# Altium PCB UDEMY__MFY.PcbDoc (part 1 of 2) (continued)
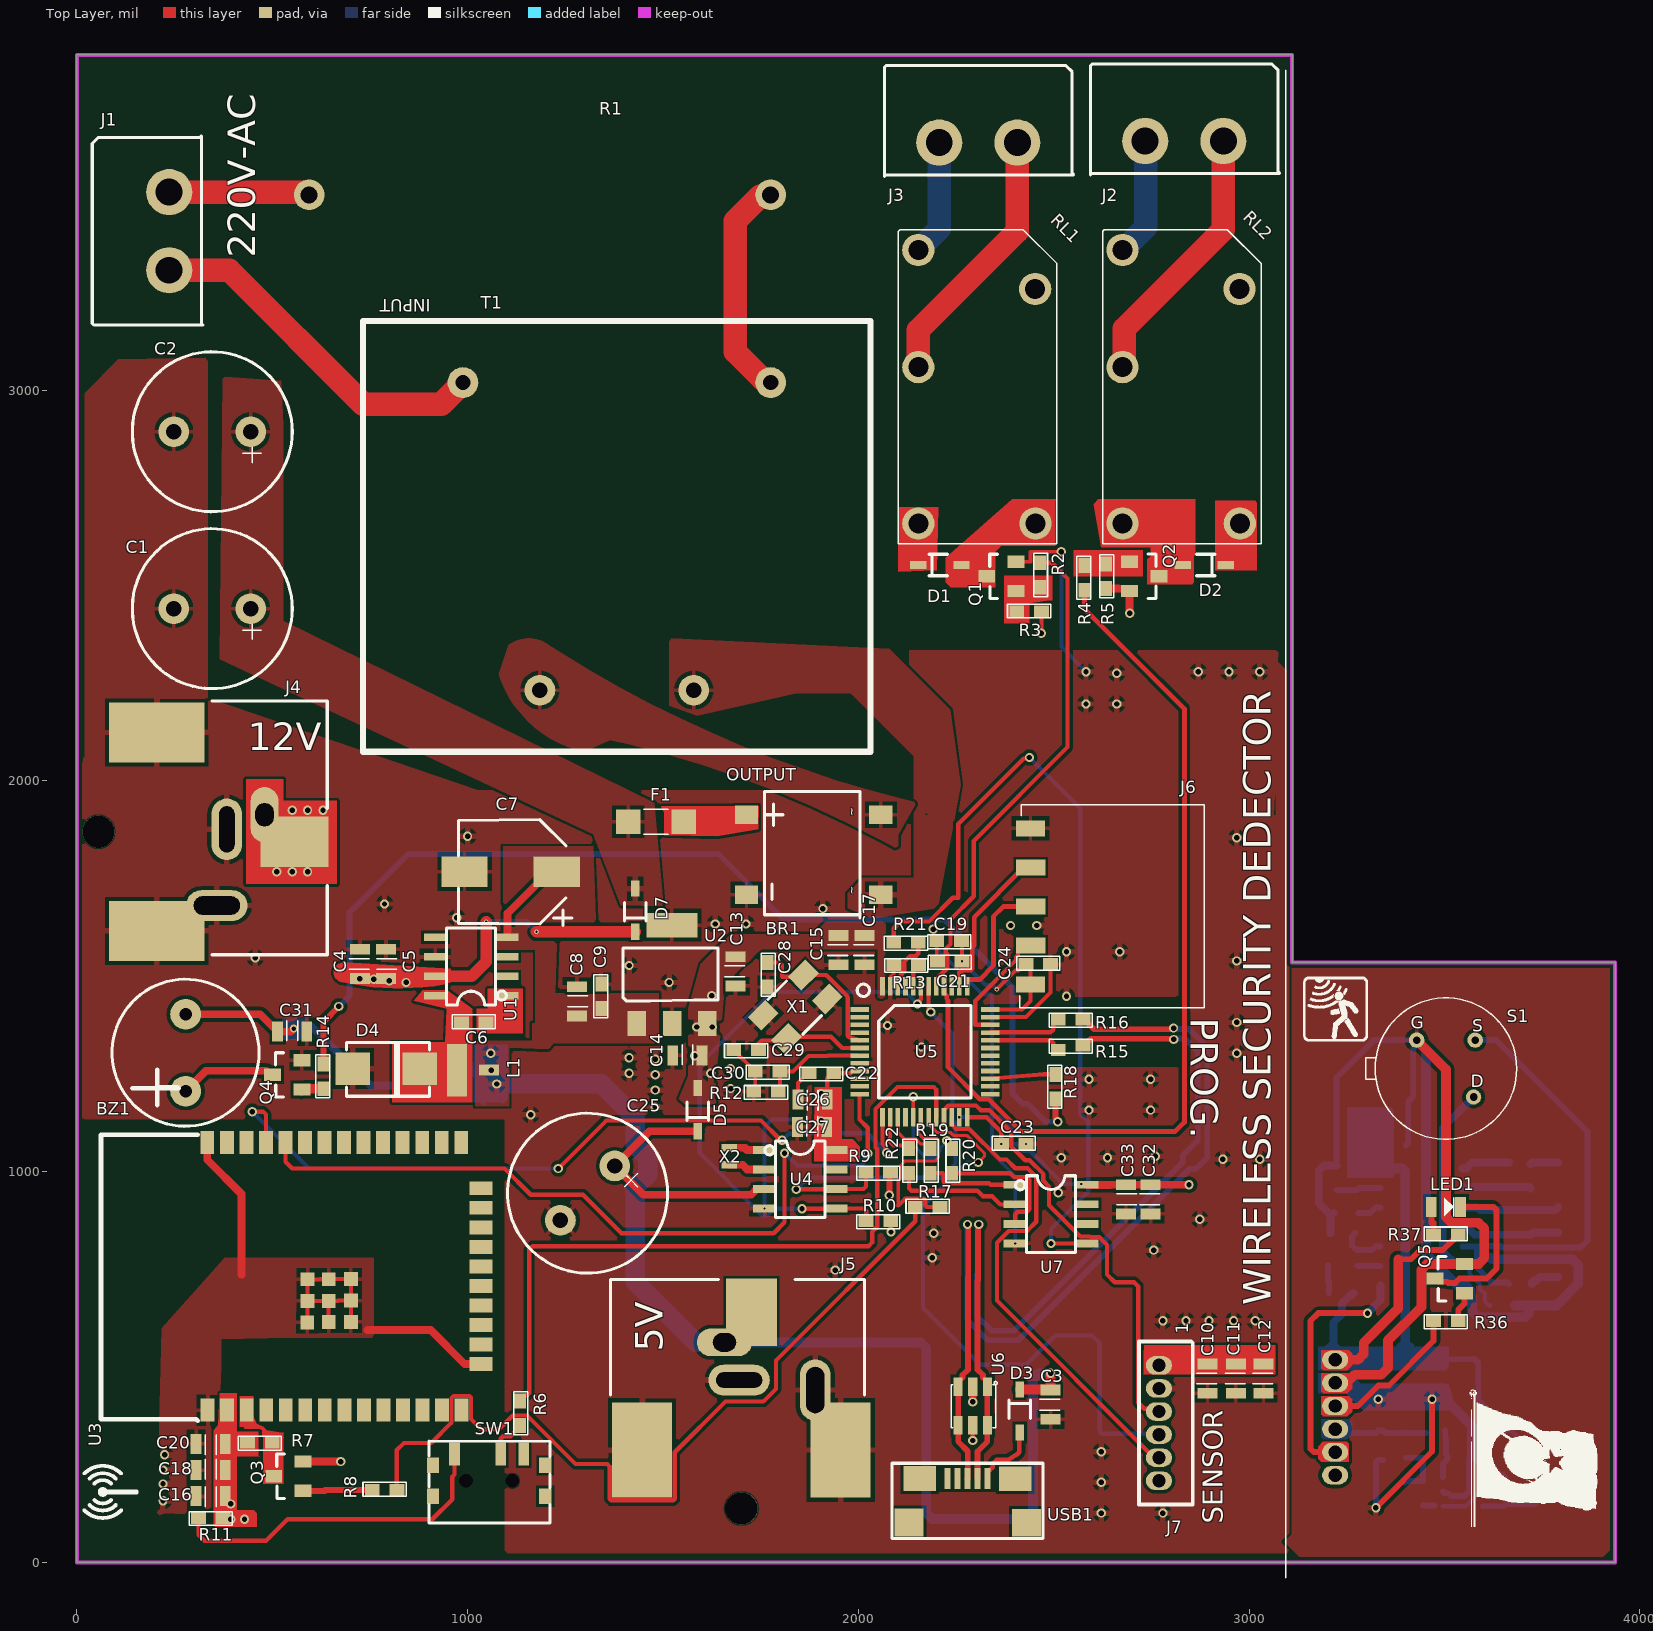
[diagram p0: Top Layer view]
## Part data (continued)
R32 R33 R35: library part "RES 220K OHM 0603", "0.1W, 220000ohm, 75V, 5% +/-Tol, 100ppm/Cel, Surface Mount, 0603", Case/Package=0603, Manufacturer=Yageo, Max Operating Temperature=155°C, Min Operating Temperature=-55°C, Package Height=0.45mm, Package Length=1.6mm, Package Shape=Rectangular, Package Width=0.8mm, Power=100mW, Rated Temperature=70°C, Resistor Type="FIXED RESISTOR", Supplier Part Number=603-RC0603JR-07220KL, Temperature Coefficient (ppm/Cel)=100, Tolerance=5%, Working Voltage=75V, Additional Feature="LASER TRIMMABLE", Category="Chip SMD Resistors", ComponentLink1Description=https://datasheet.ciiva.com:443/pdfs/VipMasterIC/IC/YAGO/YAGO-S-A0008145938/YAGO-S-A0008145938-1.pdf?src-supplier=IHS+Markit, ComponentLink1URL=https://datasheet.ciiva.com:443/pdfs/VipMasterIC/IC/YAGO/YAGO-S-A0008145938/YAGO-S-A0008145938-1.pdf?src-supplier=IHS+Markit, ComponentLink2Description=https://datasheet.ciiva.com/2452/pyu-r-int-thick-7-2452923.pdf?src-supplier=Digikey, ComponentLink2URL=https://datasheet.ciiva.com/2452/pyu-r-int-thick-7-2452923.pdf?src-supplier=Digikey, ComponentLink3Description=https://datasheet.ciiva.com/2452/pyu-r-int-thick-7-2452924.pdf?src-supplier=Digikey, ComponentLink3URL=https://datasheet.ciiva.com/2452/pyu-r-int-thick-7-2452924.pdf?src-supplier=Digikey, ComponentLink4Description=https://datasheet.ciiva.com/2452/pyu-r-int-thick-7-2452925.pdf?src-supplier=Digikey, ComponentLink4URL=https://datasheet.ciiva.com/2452/pyu-r-int-thick-7-2452925.pdf?src-supplier=Digikey, Construction=Chip, JESD-609 Code=e3, Manufacturer Part Number=RC0603JR-07220KL, Mounting Technology="Surface Mount", Packaging="Tape and Reel", Pins=2, Pricing="1=0,1, 10=0,008, 50=0,008, 100=0,006, 1000=0,005, 10000=0,002 (USD)", Reach SVHC Compliant=Yes, RoHS=Yes, RoHS Compliant=Yes, Stock=72147, Supplier=Mouser, Technology="METAL GLAZE/THICK FILM", Terminal Finish=Nickel, Termination=Wraparound
RL1 RL2: "General Purpose Relay SPDT (1 Form C) 12VDC Coil Through Hole", Coil Current(DC)-Max=33mA, Coil Operate Voltage(DC)=9V, Coil Power=400mW, Coil Release Voltage(DC)=600mV, Coil Resistance=360R, Coil Voltage(DC)-Max=12V, Contact AC Max Power Rating R Load=1250VA@250VAC, Contact AC Max Rating R Load=10A@125VAC, Contact Current(AC)-Max=10A, Contact Current(DC)-Max=5A, Contact DC Max Power Rating R Load=150W@30VDC, Contact DC Max Rating R Load=5A@30VDC, Contact Resistance=100mR, Contact Voltage(AC)-Max=125V, Contact Voltage(DC)-Max=30V, Dielectric Strength Between Coil and Contacts=4000Vrms, Dielectric Strength Between Open Contacts=750Vrms, Manufacturer=Panasonic, Max Operating Temperature=85°C, Min Operating Temperature=-40°C, Supplier Part Number=5061407, Insulation Resistance=1GR, Body Breadth=10mm, Body Height=16mm, Body Length or Diameter=20mm, Case/Package=ALQ112, Category="Power Relays", Coil Voltage-Nom=12V, Coil/Input Supply Type=DC, ComponentLink1Description=https://datasheet.ciiva.com:443/pdfs/VipMasterIC/IC/PANA/PANA-S-A0003568054/PANA-S-A0003568054-1.pdf?src-supplier=IHS+Markit, ComponentLink1URL=https://datasheet.ciiva.com:443/pdfs/VipMasterIC/IC/PANA/PANA-S-A0003568054/PANA-S-A0003568054-1.pdf?src-supplier=IHS+Markit, ComponentLink2Description=https://datasheet.ciiva.com/24388/307ds-61b20-en-lq-24388909.pdf?src-supplier=Onlinecomponents.com, ComponentLink2URL=https://datasheet.ciiva.com/24388/307ds-61b20-en-lq-24388909.pdf?src-supplier=Onlinecomponents.com, Contact/Output Supply Type=AC/DC, End Contact Material=Silver, Manufacturer Part Number=ALQ112, Mounting Technology="Through Hole", Operate Time=20ms, Packaging=Box, PCB Hole Count=5, Pins=5, Pricing="100=0,56, 400=0,545, 1500=0,53, 4000=0,525, 10000=0,51 (USD)", Reference Standard=UL, Relay Action=MOMENTARY, Relay Form="1 FORM C", Relay Function=SPDT, Relay Type="POWER/SIGNAL RELAY", Release Time=20ms, RoHS=Yes, RoHS Compliant=Yes, Sealing="MOISTURE PROOF", Stock=4000, Supplier="Future Electronics", Terminal Length=0.0042inch, Termination=Solder, Weight=7g, Input Switching Control Type=Random
RT1: "Thermistor PTC 10K Ohm 1% 2-Pin 1206 Surface Mount", Case Code (Imperial)=1206, Manufacturer="Vishay Dale", Max Operating Temperature=125°C, Max Power Dissipation=125mW, Min Operating Temperature=-55°C, Package Quantity=5000, Resistance Tolerance=1%, Supplier Part Number=71-TFPT1206L1002FM, Voltage=40V, Case/Package=1206, Category="Linear ICs", ComponentLink1Description=https://datasheet.ciiva.com/2852/tfpt-2852076.pdf?src-supplier=Digikey, ComponentLink1URL=https://datasheet.ciiva.com/2852/tfpt-2852076.pdf?src-supplier=Digikey, DESIGNED BY=MFY, Height=0.55mm, Lead Free="Lead Free", Length=3.2mm, Manufacturer Part Number=TFPT1206L1002FM, Mounting Technology="Surface Mount", Packaging="Tape and Reel", Power Rating=125mW, Pricing="1=0,81, 10=0,751, 50=0,567, 100=0,554, 1000=0,514, 10000=0,462 (USD)", RoHS=Yes, RoHS Compliant=Yes, Series=TFPT, Stock=33485, Supplier=Mouser, Termination=SMD/SMT, Tolerance=1%, Width=1.6mm
S1: "Sensor PIR (Passive Infrared) TO-205AA, TO-5-3 Metal Can", Case/Package=TO-205AA, Manufacturer=Excelitas, Manufacturer Part Number=LHI878/3902, Max Supply Voltage=12V, Min Supply Voltage=2V, Supplier Part Number=61T6571, Category="Linear ICs", DESIGNED BY=MFY, RoHS=No, Supplier=Newark
SW1: "Slide Switch", Manufacturer=E-Switch, Supplier Part Number=4050996, Category=LDO, ComponentLink1Description=https://media.digikey.com/pdf/Data%20Sheets/E-Switch%20PDFs/EG1215_Series_Ds.pdf?src-supplier=Digikey, ComponentLink1URL=https://media.digikey.com/pdf/Data%20Sheets/E-Switch%20PDFs/EG1215_Series_Ds.pdf?src-supplier=Digikey, ComponentLink2Description=http://www.farnell.com/datasheets/2645007.pdf?src-supplier=Farnell, ComponentLink2URL=http://www.farnell.com/datasheets/2645007.pdf?src-supplier=Farnell, ComponentLink3Description=https://datasheet.octopart.com/EG1215AA-E-Switch-datasheet-156105969.pdf?src-supplier=Future+Electronics, ComponentLink3URL=https://datasheet.octopart.com/EG1215AA-E-Switch-datasheet-156105969.pdf?src-supplier=Future+Electronics, ComponentLink4Description=https://datasheet.octopart.com/EG1215AA-E-Switch-datasheet-101745667.pdf?src-supplier=Electro+Sonic, ComponentLink4URL=https://datasheet.octopart.com/EG1215AA-E-Switch-datasheet-101745667.pdf?src-supplier=Electro+Sonic, DESIGNED BY=MFY, Manufacturer Part Number=EG1215AA, Pricing="1=0,96, 10=0,815, 25=0,757, 50=0,717, 100=0,676 (EUR)", RoHS=Yes, Stock=3432, Supplier=Farnell
T1: "Split Bobbin Power Transformer, 230-12V 1VA", Manufacturer="Zettler Magnetics", Manufacturer Part Number=BV302S12010, Operating Frequency="50-60 Hz", Primary Voltage="230 V", Rated Power=1VA, Secondary Voltage=12V, Supplier Part Number=9036725, Category=Uncategorized, DESIGNED BY=MFY, Pricing="15=1,58, 60=1,56, 225=1,53, 375=1,52, 750=1,49 (USD)", Reach SVHC Compliant=No, RoHS=No, RoHS Compliant=No, Supplier="Future Electronics"
U1: "Switching Regulator, Voltage-mode, 2.2A, 275kHz Switching Freq-Max, DMOS, PDSO8", Case/Package=SOIC, Frequency=275kHz, Manufacturer="TI National Semiconductor", Max Operating Temperature=125°C, Max Output current=2.2A, Max Supply Voltage=40V, Min Operating Temperature=-40°C, Min Input Voltage=6.5V, Nominal Output Voltage=12V, Nominal Supply Voltage=24V, Package Body Material=Plastic, Package Shape=Rectangular, Package Style="SMALL OUTLINEMeter", Peak Reflow Temperature (Cel)=260°C, Supplier Part Number=926-LM2675MX-12/NOPB, Temperature Grade=AUTOMOTIVE, Time @ Peak Reflow Temperature-Max (s)=40s, Category="Voltage Regulators - Switching", Channels=1, ComponentLink1Description=https://datasheet.ciiva.com:443/pdfs/VipMasterIC/IC/TXII/TXIIS100070/TXIIS168554-1.pdf?src-supplier=IHS+Markit, ComponentLink1URL=https://datasheet.ciiva.com:443/pdfs/VipMasterIC/IC/TXII/TXIIS100070/TXIIS168554-1.pdf?src-supplier=IHS+Markit, ComponentLink2Description=https://datasheet.ciiva.com/41457/001013881-da-01-en-ic-reg-buck-lm2675mx-12-nopb-soic-8-tid-41457896.pdf?src-supplier=Conrad, ComponentLink2URL=https://datasheet.ciiva.com/41457/001013881-da-01-en-ic-reg-buck-lm2675mx-12-nopb-soic-8-tid-41457896.pdf?src-supplier=Conrad, ComponentLink3Description=https://datasheet.ciiva.com/3220/lm2675-3220840.pdf?src-supplier=Avnet, ComponentLink3URL=https://datasheet.ciiva.com/3220/lm2675-3220840.pdf?src-supplier=Avnet, Control Mode=VOLTAGE-MODE, Control Technique="PULSE WIDTH MODULATION", DESIGNED BY=MFY, Height - Seated (Max)=1.75mm, JESD-30 Code=R-PDSO-G8, JESD-609 Code=e3, Length=4.9mm, Manufacturer Part Number=LM2675MX-12/NOPB, Moisture Sensitivity Level=1, Pins=8, Pricing="1=4,82, 10=3,66, 50=3,37, 100=3,05, 1000=2,73, 10000=2,65 (USD)", Qualification Status="Not Qualified", Reach SVHC Compliant=Yes, RoHS=Yes, RoHS Compliant=Yes, Stock=1434, Supplier=Mouser, Surface Mount=Yes, Switcher Configuration=BUCK, Technology=DMOS, Terminal Finish=Tin, Terminal Form="Gull Wing", Terminal Pitch=1.27mm, Terminal Position=DUAL, Throw Configuration="SWITCHING REGULATOR", Width=3.9mm
U2: "Fixed Positive LDO Regulator, 3.3V, 0.7V Dropout, CMOS, PSSO3,SOT-223", Case/Package=SOT-223, Dropout Voltage1-Max=700mV, Dropout Voltage1-Nom=500mV, Manufacturer=Diodes, Max Supply Voltage=6V, Min Input Voltage=4.3V, Operating Temperature, TJ-Max=150°C, Operating Temperature, TJ-Min=-40°C, Output Current1-Max=1A, Output Voltage1-Max=3.399V, Output Voltage1-Min=3.201V, Output Voltage1-Nom=3.3V, Package Body Material=Plastic, Package Shape=Rectangular, Peak Reflow Temperature (Cel)=260°C, Supplier Part Number=621-AP7361-33E-13, Time @ Peak Reflow Temperature-Max (s)=30s, Voltage Tolerance-Max=6.5%, Input Voltage Absolute-Max=6.5V, Adjustability=FIXED, Category="Voltage Regulators - Linear", Channels=1, ComponentLink1Description=https://datasheet.ciiva.com:443/pdfs/VipMasterIC/IC/DIOD/DIOD-S-A0002906110/DIOD-S-A0002906110-1.pdf?src-supplier=IHS+Markit, ComponentLink1URL=https://datasheet.ciiva.com:443/pdfs/VipMasterIC/IC/DIOD/DIOD-S-A0002906110/DIOD-S-A0002906110-1.pdf?src-supplier=IHS+Markit, ComponentLink2Description=https://datasheet.ciiva.com/26926/getdatasheetpartid-670786-26926141.pdf?src-supplier=Verical, ComponentLink2URL=https://datasheet.ciiva.com/26926/getdatasheetpartid-670786-26926141.pdf?src-supplier=Verical, ComponentLink3Description=https://datasheet.ciiva.com/25651/ap7361-25651049.pdf?src-supplier=Digikey, ComponentLink3URL=https://datasheet.ciiva.com/25651/ap7361-25651049.pdf?src-supplier=Digikey, DESIGNED BY=MFY, Height - Seated (Max)=1.8mm, JESD-609 Code=e3, Length=6.5mm, Manufacturer Part Number=AP7361-33E-13, Moisture Sensitivity Level=1, Number of Outputs=1, Packaging="Tape and Reel", Pins=3, Pricing="1=0,31, 10=0,212, 50=0,188, 100=0,146, 1000=0,136, 10000=0,135 (USD)", Qualification Status="Not Qualified", Reach SVHC Compliant=Yes, Regulator Type="FIXED POSITIVE SINGLE OUTPUT LDO REGULATOR", RoHS=Yes, RoHS Compliant=Yes, Stock=22552, Supplier=Mouser, Surface Mount=Yes, Technology=CMOS, Terminal Finish=Tin, Terminal Form="Gull Wing", Terminal Pitch=2.3mm, Terminal Position=SINGLE, Width=3.5mm
U3: "WiFi-Module 802.11/BT 2, 4-2, 5GHz 150Mb/s", Manufacturer="Espressif Systems", Manufacturer Part Number=ESP32-WROOM-32E-N4, Supplier Part Number=1157710, Category=LDO, ComponentLink1Description=https://datasheet.octopart.com/ESP32-WROOM-32E-N4-Espressif-Systems-datasheet-151884363.pdf?src-supplier=Future+Electronics, ComponentLink1URL=https://datasheet.octopart.com/ESP32-WROOM-32E-N4-Espressif-Systems-datasheet-151884363.pdf?src-supplier=Future+Electronics, ComponentLink2Description=https://datasheet.octopart.com/ESP32-WROOM-32E-N4-Espressif-Systems-datasheet-188867343.pdf?src-supplier=TME, ComponentLink2URL=https://datasheet.octopart.com/ESP32-WROOM-32E-N4-Espressif-Systems-datasheet-188867343.pdf?src-supplier=TME, DESIGNED BY=MFY, Pricing="650=2,45, 1300=2,42 (USD)", RoHS=No, Supplier="Future Electronics"
U4: "Real Time Clock, Volatile, 0 Timer(s), CMOS, PDSO8", Case/Package=SOIC, Clock Frequency=32kHz, Manufacturer=STMicroelectronics, Max Operating Temperature=85°C, Max Supply Voltage=5.5V, Min Operating Temperature=-40°C, Min Supply Voltage=2.7V, Package Body Material=Plastic, Package Equivalence Code=SOP8,.25, Package Shape=Rectangular, Package Style="SMALL OUTLINEMeter", Peak Reflow Temperature (Cel)=260°C, Power Supplies=3/5V, Supplier Part Number=511-M41T00SM6F, Temperature Grade=INDUSTRIAL, Time @ Peak Reflow Temperature-Max (s)=30s, Category="Real Time Clocks", ComponentLink1Description=https://datasheet.ciiva.com:443/pdfs/VipMasterIC/IC/SGST/SGSTS30285/SGSTS30285-1.pdf?src-supplier=IHS+Markit, ComponentLink1URL=https://datasheet.ciiva.com:443/pdfs/VipMasterIC/IC/SGST/SGSTS30285/SGSTS30285-1.pdf?src-supplier=IHS+Markit, ComponentLink2Description=https://datasheet.ciiva.com/4772/cd00043079-112038-4772343.pdf?src-supplier=Mouser, ComponentLink2URL=https://datasheet.ciiva.com/4772/cd00043079-112038-4772343.pdf?src-supplier=Mouser, ComponentLink3Description=https://datasheet.ciiva.com/16219/cd00043079-16219612.pdf?src-supplier=Future+Electronics, ComponentLink3URL=https://datasheet.ciiva.com/16219/cd00043079-16219612.pdf?src-supplier=Future+Electronics, DESIGNED BY=MFY, Height - Seated (Max)=1.75mm, JESD-30 Code=R-PDSO-G8, JESD-609 Code=e4, Length=4.9mm, Manufacturer Part Number=M41T00SM6F, Moisture Sensitivity Level=1, Pins=8, Pricing="1=3,31, 10=2,49, 50=2,29, 100=2,06, 1000=1,83, 10000=1,74 (USD)", Qualification Status="Not Qualified", Reach SVHC Compliant=Yes, RoHS=Yes, RoHS Compliant=Yes, Stock=6978, Supplier=Mouser, Surface Mount=Yes, Technology=CMOS, Terminal Finish=Nickel, Terminal Form="Gull Wing", Terminal Pitch=1.27mm, Terminal Position=DUAL, Width=3.9mm
U5: "RISC Microcontroller, 32-Bit, FLASH, CORTEX-M3 CPU, 72MHz, CMOS, LQFP48", Case/Package=LQFP, Manufacturer=STMicroelectronics, Max Operating Temperature=85°C, Max Supply Current=45mA, Min Operating Temperature=-40°C, Package Body Material=Plastic, Package Equivalence Code=QFP48,.35SQ,20, Package Shape=Square, Peak Reflow Temperature (Cel)=260°C, Power Supplies=2.5/3.3, Supplier Part Number=511-STM32F103C6T6A, Temperature Grade=INDUSTRIAL, Time @ Peak Reflow Temperature-Max (s)=40s, Category=Microcontrollers, ComponentLink1Description=https://datasheet.ciiva.com:443/pdfs/VipMasterIC/IC/SGST/SGST-S-A0001117150/SGST-S-A0001117150-1.pdf?src-supplier=IHS+Markit, ComponentLink1URL=https://datasheet.ciiva.com:443/pdfs/VipMasterIC/IC/SGST/SGST-S-A0001117150/SGST-S-A0001117150-1.pdf?src-supplier=IHS+Markit, ComponentLink2Description=https://datasheet.ciiva.com/15122/getdatasheetpartid-69879-15122075.pdf?src-supplier=Verical, ComponentLink2URL=https://datasheet.ciiva.com/15122/getdatasheetpartid-69879-15122075.pdf?src-supplier=Verical, ComponentLink3Description=https://datasheet.ciiva.com/14100/pustm-arm-microcont-stm32f103-en-14100507.pdf?src-supplier=Distrelec, ComponentLink3URL=https://datasheet.ciiva.com/14100/pustm-arm-microcont-stm32f103-en-14100507.pdf?src-supplier=Distrelec, DESIGNED BY=MFY, JESD-30 Code=S-PQFP-G48, JESD-609 Code=e4, Manufacturer Part Number=STM32F103C6T6A, Moisture Sensitivity Level=3, Pins=48, Pricing="1=5,48, 10=4,2, 50=3,87, 100=3,52, 1000=3,23, 10000=3,14 (USD)", Qualification Status="Not Qualified", Reach SVHC Compliant=Yes, RoHS=Yes, RoHS Compliant=Yes, Stock=2247, Supplier=Mouser, Surface Mount=Yes, Technology=CMOS, Terminal Finish=Nickel, Terminal Form="Gull Wing", Terminal Pitch=0.5mm, Terminal Position=QUAD
U6: library part "USB PROTECTION", "Trans Voltage Suppressor Diode, 5V V(RWM), Unidirectional, 1 Element, Silicon", Clamping Voltage-Max=17V, Manufacturer=STMicroelectronics, Max Operating Temperature=125°C, Min Breakdown Voltage=6V, Min Operating Temperature=-40°C, Package Body Material=Plastic, Package Shape=Rectangular, Package Style="SMALL OUTLINEMeter", Peak Reflow Temperature (Cel)=260°C, Rep Pk Reverse Voltage-Max=5V, Supplier Part Number=511-USBLC6-2SC6, Additional Feature="HIGH RELIABILITY", Category="TVS Diodes", ComponentLink1Description=https://datasheet.ciiva.com:443/pdfs/VipMasterIC/IC/SGST/SGSTS30336/SGSTS30336-1.pdf?src-supplier=IHS+Markit, ComponentLink1URL=https://datasheet.ciiva.com:443/pdfs/VipMasterIC/IC/SGST/SGSTS30336/SGSTS30336-1.pdf?src-supplier=IHS+Markit, ComponentLink2Description=https://datasheet.ciiva.com/1268/1690354-1268384.pdf?src-supplier=Element14, ComponentLink2URL=https://datasheet.ciiva.com/1268/1690354-1268384.pdf?src-supplier=Element14, ComponentLink3Description=https://datasheet.ciiva.com/4508/cd00050750-113117-4508433.pdf?src-supplier=Mouser, ComponentLink3URL=https://datasheet.ciiva.com/4508/cd00050750-113117-4508433.pdf?src-supplier=Mouser, ComponentLink4Description=https://datasheet.ciiva.com/15143/getdatasheetpartid-148465-15143789.pdf?src-supplier=Verical, ComponentLink4URL=https://datasheet.ciiva.com/15143/getdatasheetpartid-148465-15143789.pdf?src-supplier=Verical, ComponentLink5Description=https://datasheet.ciiva.com/16200/cd00050750-16200026.pdf?src-supplier=Future+Electronics, ComponentLink5URL=https://datasheet.ciiva.com/16200/cd00050750-16200026.pdf?src-supplier=Future+Electronics, ComponentLink6Description=https://datasheet.ciiva.com/41444/001184109-da-01-en-ic-esd-protecti-usblc6-2sc6-sot-23-6-stm-41444156.pdf?src-supplier=Conrad, ComponentLink6URL=https://datasheet.ciiva.com/41444/001184109-da-01-en-ic-esd-protecti-usblc6-2sc6-sot-23-6-stm-41444156.pdf?src-supplier=Conrad, Diode Element Material=SILICON, Diode Type="TRANS VOLTAGE SUPPRESSOR", JESD-30 Code=R-PDSO-G6, JESD-609 Code=e3, Manufacturer Part Number=USBLC6-2SC6, Moisture Sensitivity Level=1, Number of Elements=1, Pins=6, Polarity=Unidirectional, Pricing="1=0,36, 10=0,243, 50=0,243, 100=0,163, 1000=0,114, 10000=0,075 (USD)", Qualification Status="Not Qualified", Reach SVHC Compliant=Yes, Reference Standard=IEC-61000-4-2, RoHS=Yes, RoHS Compliant=Yes, Stock=120276, Supplier=Mouser, Surface Mount=Yes, Technology=AVALANCHE, Terminal Finish=Tin, Terminal Form="Gull Wing", Terminal Position=DUAL
U7: "Serial Switch/Digital Sensor, 12 Bit(s), 2.50Cel, BICMOS, Rectangular, 8 Pin, Surface Mount", Manufacturer=Maxim, Max Operating Temperature=125°C, Min Operating Temperature=-55°C, Operating Current-Max=120uA, Package Body Material=Plastic, Package Equivalence Code=SOP8,.25, Package Shape/Style=Rectangular, Power Supplies=3.3/5V, Supplier Part Number=700-MAX6662MSA, Accuracy-Max (Cel)=2.5°C, Body Breadth=3.9mm, Body Height=1.72mm, Body Length or Diameter=4.89mm, Category="Temperature and Humidity Sensors", ComponentLink1Description=https://datasheet.ciiva.com:443/pdfs/VipMasterIC/IC/MAXM/MAXMS01802/MAXMS01802-1.pdf?src-supplier=IHS+Markit, ComponentLink1URL=https://datasheet.ciiva.com:443/pdfs/VipMasterIC/IC/MAXM/MAXMS01802/MAXMS01802-1.pdf?src-supplier=IHS+Markit, ComponentLink2Description=https://datasheet.ciiva.com/5299/max6662-89142-5299456.pdf?src-supplier=Mouser, ComponentLink2URL=https://datasheet.ciiva.com/5299/max6662-89142-5299456.pdf?src-supplier=Mouser, ComponentLink3Description=https://datasheet.ciiva.com/3277/max6662-3277979.pdf?src-supplier=Avnet, ComponentLink3URL=https://datasheet.ciiva.com/3277/max6662-3277979.pdf?src-supplier=Avnet, ComponentLink4Description=https://datasheet.ciiva.com/2003/max6662-2003390.pdf?src-supplier=Digikey, ComponentLink4URL=https://datasheet.ciiva.com/2003/max6662-2003390.pdf?src-supplier=Digikey, Housing Material=Plastic, JESD-609 Code=e3, Manufacturer Part Number=MAX6662MSA+, Mounting Technology="Surface Mount", Number of Bits=12, Output Interface Type=3-WIRE, Pins=8, Pricing="1=4,11, 10=3,52, 50=3,2, 100=3,08, 1000=2,75, 10000=2,75 (USD)", Reach SVHC Compliant=Yes, RoHS=Yes, RoHS Compliant=Yes, Sensor Type="TEMPERATURE SENSOR,SWITCH/DIGITAL OUTPUT,SERIAL", Stock=245, Supplier=Mouser, Technology=BICMOS, Terminal Finish=Tin, Termination=Solder
U8: library part "OPA 314", "OPAMP OPA 314", Average Bias Current-Max (IIB)=600pA, Bias Current-Max (IIB) @25C=10pA, Case/Package=LSSOP, Frequency Compensation=YES, Manufacturer="Texas Instruments", Max Operating Temperature=125°C, Max Supply Current=180uA, Micropower=Yes, Min Operating Temperature=-40°C, Nominal Supply Voltage=5V, Package Body Material=Plastic, Package Equivalence Code=TSOP5/6,.11,37, Package Shape=Rectangular, Package Style="SMALL OUTLINE, LOW PROFILE, SHRINK PITCHMeter", Peak Reflow Temperature (Cel)=260°C, Power=No, Power Supplies=+-0.9/+-2.75/1.8/5.5V, Supplier Part Number=595-OPA314AIDBVR, Supply Voltage Limit-Max=7V, Temperature Grade=AUTOMOTIVE, Voltage Gain-Min=31620, Input Offset Voltage-Max=2.5mV, Amplifier Type="OPERATIONAL AMPLIFIER", Architecture=VOLTAGE-FEEDBACK, Category="Amplifiers - Op Amps, Buffer, Instrumentation", Channels=1, Common Mode Rejection Ratio-Min=60dB, Common-mode Reject Ratio-Nom=90dB, ComponentLink1Description=https://www.ti.com:443/lit/ds/symlink/opa2314.pdf?src-supplier=IHS+Markit, ComponentLink1URL=https://www.ti.com:443/lit/ds/symlink/opa2314.pdf?src-supplier=IHS+Markit, ComponentLink2Description=https://datasheet.ciiva.com/14462/opa2314-14462006.pdf?src-supplier=Avnet, ComponentLink2URL=https://datasheet.ciiva.com/14462/opa2314-14462006.pdf?src-supplier=Avnet, ComponentLink3Description=https://datasheet.ciiva.com/29638/opa314-29638827.pdf?src-supplier=Digikey, ComponentLink3URL=https://datasheet.ciiva.com/29638/opa314-29638827.pdf?src-supplier=Digikey, ComponentLink4Description=https://datasheet.ciiva.com/14456/opa2314-14456281.pdf?src-supplier=Avnet, ComponentLink4URL=https://datasheet.ciiva.com/14456/opa2314-14456281.pdf?src-supplier=Avnet, Height - Seated (Max)=1.45mm, JESD-30 Code=R-PDSO-G5, JESD-609 Code=e4, Length=2.9mm, Low-Bias=Yes, Low-Offset=No, Manufacturer Part Number=OPA314AIDBVR, Moisture Sensitivity Level=2, Packaging="Tape and Reel", Pins=5, Pricing="1=1,19, 10=0,861, 50=0,775, 100=0,682, 1000=0,589, 10000=0,537 (USD)", Programmable Power=No, Qualification Status="Not Qualified", Reach SVHC Compliant=Yes, RoHS=Yes, RoHS Compliant=Yes, Slew Rate=1.5V/µs, Stock=944, Supplier=Mouser, Surface Mount=Yes, Technology=CMOS, Terminal Finish=Nickel, Terminal Form="Gull Wing", Terminal Pitch=0.95mm, Terminal Position=DUAL, Unity Gain BW-Nom=3MHz, Wideband=No, Width=1.6mm
U9: library part NCS36000, "PIR CONTROLLER Analog Circuit, 1 Func, CMOS, PDSO14", Case/Package=SOP, Manufacturer=onsemi, Max Operating Temperature=85°C, Max Supply Voltage=5.75V, Min Operating Temperature=-40°C, Min Supply Voltage=3V, Nominal Supply Voltage=5V, Package Body Material=Plastic, Package Equivalence Code=SOP14,.25, Package Shape=Rectangular, Package Style="SMALL OUTLINEMeter", Power Supplies=3.3/5V, Supplier Part Number=2531200, Temperature Grade=INDUSTRIAL, Category="Amplifiers - Op Amps, Buffer, Instrumentation", Channels=1, ComponentLink1Description=https://datasheet.ciiva.com:443/pdfs/VipMasterIC/IC/ONSM/ONSM-S-A0001345293/ONSM-S-A0001345293-1.pdf?src-supplier=IHS+Markit, ComponentLink1URL=https://datasheet.ciiva.com:443/pdfs/VipMasterIC/IC/ONSM/ONSM-S-A0001345293/ONSM-S-A0001345293-1.pdf?src-supplier=IHS+Markit, ComponentLink2Description=https://datasheet.ciiva.com/1781/ncs36000-d-1781637.pdf?src-supplier=Digikey, ComponentLink2URL=https://datasheet.ciiva.com/1781/ncs36000-d-1781637.pdf?src-supplier=Digikey, ComponentLink3Description=https://datasheet.ciiva.com/4763/ncs36000-d-89569-4763639.pdf?src-supplier=Mouser, ComponentLink3URL=https://datasheet.ciiva.com/4763/ncs36000-d-89569-4763639.pdf?src-supplier=Mouser, ComponentLink4Description=https://datasheet.ciiva.com/2965/ncs36000-d-2965212.pdf?src-supplier=Avnet, ComponentLink4URL=https://datasheet.ciiva.com/2965/ncs36000-d-2965212.pdf?src-supplier=Avnet, ComponentLink5Description=https://datasheet.ciiva.com/1781/ncs36000-d-1781639.pdf?src-supplier=Digikey, ComponentLink5URL=https://datasheet.ciiva.com/1781/ncs36000-d-1781639.pdf?src-supplier=Digikey, ComponentLink6Description=https://datasheet.ciiva.com/2966/ncs36000-d-2966525.pdf?src-supplier=Avnet, ComponentLink6URL=https://datasheet.ciiva.com/2966/ncs36000-d-2966525.pdf?src-supplier=Avnet, Height - Seated (Max)=1.75mm, JESD-30 Code=R-PDSO-G14, JESD-609 Code=e3, Length=8.65mm, Manufacturer Part Number=NCS36000DRG, Moisture Sensitivity Level=2, Pins=14, Pricing="1=0,698, 50=0,609, 100=0,468, 250=0,442, 500=0,414, 1000=0,326, 2500=0,29, 5000=0,282 (EUR)", Qualification Status="Not Qualified", Reach SVHC Compliant=Yes, RoHS=Yes, RoHS Compliant=Yes, Supplier=Farnell, Surface Mount=Yes, Technology=CMOS, Terminal Finish=Tin, Terminal Form="Gull Wing", Terminal Pitch=1.27mm, Terminal Position=DUAL, Throw Configuration="ANALOG CIRCUIT", Width=3.9mm
USB1: library part "Micro B USB Connector", "CONN USB MICRO B RECPT SMT R/A", Manufacturer="Amphenol ICC / FCI", Supplier Part Number=649-10118192-0001LF, Category=Uncategorized, Manufacturer Part Number=10118192-0001LF, Pricing="1=0,43, 10=0,367, 50=0,328, 100=0,312, 1000=0,279, 10000=0,216 (USD)", RoHS=No, Stock=18597, Supplier=Mouser
X1: library part "CRYSTAL 16 MHz", "Parallel - Fundamental Quartz Crystal, 16MHz Nom", Frequency Stability=0.005%, Frequency Tolerance=30ppm, Load Capacitance=20pF, Manufacturer="ECS International", Max Operating Temperature=70°C, Min Operating Temperature=-20°C, Operating Frequency-Nom=16MHZ, Supplier Part Number=520-ECS-160-20-30B, Aging="5 PPM/FIRST YEAR", Category=Crystals, ComponentLink1Description=https://datasheet.ciiva.com:443/pdfs/VipMasterIC/IC/ECSI/ECSI-S-A0003724562/ECSI-S-A0003724562-1.pdf?src-supplier=IHS+Markit, ComponentLink1URL=https://datasheet.ciiva.com:443/pdfs/VipMasterIC/IC/ECSI/ECSI-S-A0003724562/ECSI-S-A0003724562-1.pdf?src-supplier=IHS+Markit, ComponentLink2Description=https://datasheet.ciiva.com/853/ecx-53b-853408.pdf?src-supplier=Digikey, ComponentLink2URL=https://datasheet.ciiva.com/853/ecx-53b-853408.pdf?src-supplier=Digikey, ComponentLink3Description=https://datasheet.ciiva.com/853/ecx-53b-853407.pdf?src-supplier=Digikey, ComponentLink3URL=https://datasheet.ciiva.com/853/ecx-53b-853407.pdf?src-supplier=Digikey, ComponentLink4Description=https://datasheet.ciiva.com/853/ecx-53b-853406.pdf?src-supplier=Digikey, ComponentLink4URL=https://datasheet.ciiva.com/853/ecx-53b-853406.pdf?src-supplier=Digikey, Crystal/Resonator Type="PARALLEL - FUNDAMENTAL", Drive Level=100uW, ESR=50R, JESD-609 Code=e4, Manufacturer Part Number=ECS-160-20-30B-TR, Mounting Technology="Surface Mount", Pricing="1=0,86, 10=0,835, 50=0,835, 100=0,835, 1000=0,72, 10000=0,363 (USD)", Reach SVHC Compliant=Yes, RoHS=Yes, RoHS Compliant=Yes, Stock=688, Supplier=Mouser, Terminal Finish=Gold
X2: library part "Crystal 32768KHz", "Parallel - Fundamental Quartz Crystal, 0.032768MHz Nom", Frequency Stability=0.0072%, Frequency Tolerance=20ppm, Load Capacitance=12.5pF, Manufacturer=Abracon, Manufacturer Part Number=ABS05-32.768KHZ-T, Manufacturer Series=ABS05, Max Operating Temperature=85°C, Min Operating Temperature=-40°C, Operating Frequency-Nom=32768kHz, Supplier Part Number=815-ABS05-32.768K-T, Additional Feature="TAPE AND REEL", Category=Crystals, ComponentLink1Description=https://datasheet.ciiva.com:443/pdfs/VipMasterIC/IC/ABRC/ABRC-S-A0001211237/ABRC-S-A0001211237-1.pdf?src-supplier=IHS+Markit, ComponentLink1URL=https://datasheet.ciiva.com:443/pdfs/VipMasterIC/IC/ABRC/ABRC-S-A0001211237/ABRC-S-A0001211237-1.pdf?src-supplier=IHS+Markit, ComponentLink2Description=https://datasheet.ciiva.com/23810/abs05-23810480.pdf?src-supplier=Newark, ComponentLink2URL=https://datasheet.ciiva.com/23810/abs05-23810480.pdf?src-supplier=Newark, ComponentLink3Description=https://datasheet.ciiva.com/6728/abs05-6728950.pdf?src-supplier=Digikey, ComponentLink3URL=https://datasheet.ciiva.com/6728/abs05-6728950.pdf?src-supplier=Digikey, ComponentLink4Description=https://datasheet.ciiva.com/6728/abs05-6728949.pdf?src-supplier=Digikey, ComponentLink4URL=https://datasheet.ciiva.com/6728/abs05-6728949.pdf?src-supplier=Digikey, ComponentLink5Description=https://datasheet.ciiva.com/16411/abs05-16411149.pdf?src-supplier=Future+Electronics, ComponentLink5URL=https://datasheet.ciiva.com/16411/abs05-16411149.pdf?src-supplier=Future+Electronics, Crystal/Resonator Type="PARALLEL - FUNDAMENTAL", Drive Level=0.5uW, ESR=90kR, Mounting Technology="Surface Mount", Pricing="1=0,66, 10=0,54, 50=0,517, 100=0,469, 1000=0,431, 10000=0,345 (USD)", Reach SVHC Compliant=Yes, RoHS=Yes, RoHS Compliant=Yes, Stock=58351, Supplier=Mouser

## Via types
v1: diameter 23.62, hole 13.78, Top Layer to Bottom Layer, 123 vias
v2: diameter 11.81, hole 5.91, Top Layer to Bottom Layer, 11 vias
v3: diameter 19.68, hole 11.81, Top Layer to Bottom Layer, 1 vias
v4: diameter 19.68, hole 11.81, POWER to Bottom Layer, 1 vias

## Nets (pads, with @x,y where several pads share a name; then routed paths per layer and width w, separated by ;. In a path a pad name is that pad's centre, name@x,y a point inside that pad or via, vN(x,y) a via of type N, cw(c..) or ccw(c..) an arc to the next point about the centre after c; other vN are vias at no path point)
3V3DC: C10.2 C11.2 C12.2 C13.2 C14.2 C15.2 C16.1 C17.2 C18.2 C19.2 C20.1 C21.2 C22.2 C23.2 C24.2 C26.1 C27.2 C32.2 C33.1 D5.2 J6.1 J7.1 R7.1 R9.2 R10.2 R11.2 U2.3 U3.2 U4.8 U5.9 U5.24 U5.36 U5.48 U6.5 U7.8 | length 1399.1
  Top Layer w11: C26.1@1920.47,1185.04 1920.47,1238.93 1933.51,1251.97 C22.2@1937.01,1251.97 1979.88,1251.97 1985.41,1257.49 U5.9@2003.13,1257.49 ; C19.2@2263.79,1590.55 2265.39,1588.95 v2(2265.39,1538.24) ; U5.24@2278.72,1139.38 2327.81,1139.38 2366.14,1101.05 v2(2366.14,1070.87) ; v1(2292.94,311.92) U6.5@2292.94,350.73 ; U5.36@2337.77,1414.97 2418.91,1414.97 2440.8,1436.86 J6.1@2440.8,1478.78 2440.8,1521.29 2430.8,1531.29 C24.2@2429.09,1531.29 2425.59,1531.29 2409.06,1514.76 2402.42,1514.76 v2(2354.07,1466.41)
  Top Layer w15: v1(2079.06,939.71) 2079.5,940.15 2079.5,995 R9.2@2082.5,998 ; v1@2083,846.16 R10.2@2083,874
  Top Layer w20: U7.8@2584.65,966.14 2644.06,966.14 2644.45,966.54 C33.1@2685.04,966.54 C32.2@2748.03,966.54 v1(2846.46,966.54)
  Bottom Layer w11: v2@2265.55,1538.08 2326.16,1477.47 2342.79,1477.47 2353.85,1466.41 v2(2354.07,1466.41) ; v2(2366.14,1070.87) 2405.25,1070.87 2411.64,1064.47 2411.64,1063.62 2421.89,1053.37 2438.76,1053.37 2523.62,968.5 v2(2570.87,968.5)
  other v1: 393.7,110.24 429.13,110.24 393.7,149.61 2083.69,845.47 1904.73,1129.92 1904.73,1199.66 1622.05,1251.97 1581.29,1296.67 1586.61,1370.08 1625.98,1370.08 1624.93,1450.15
3V3DC_S: C40.2 C44.2 C45.2 C46.2 C47.2 C48.2 J8.1 R34.2 R35.2 R37.1 RT1.2 U8.5 U9.14 | length 2054
  Top Layer w15: 3381.89,775.59 3414.85,775.59 3438.47,799.21 3496.07,799.21 3523.94,827.08 3523.94,830.58 3531.94,838.58 R37.1@3535.44,838.58
  Top Layer w25: J8.1@3220.47,518.31 3278.47,518.31 3293.52,533.36 3293.52,561.24 3381.89,649.61 3381.89,775.59
  Bottom Layer w15: C47.2@3397.64,514.37 3402.95,509.05 3463.19,509.05 C48.2@3468.5,514.37 ; C48.2@3468.5,519.68 3577.83,519.68 3586.61,510.9 3586.61,414.61 3616.14,385.08 RT1.2@3616.14,338.58 3669.29,338.58 3740.16,267.72 3740.16,158.35 3731.37,149.56 C40.2@3657.27,149.56 3651.41,143.7 U8.5@3598.43,143.7
  Bottom Layer w20: J8.1@3220.47,518.31 3216.54,522.24 3216.54,614.17 3238.11,635.75 3238.11,662.87 3258.72,683.48 3262.22,683.48 R34.2@3267.72,688.98
  Bottom Layer w25: U9.14@3336.22,1008.26 3392.58,1008.26 3399.93,1000.91 3399.93,541.14
5VDC: BZ1.2 C3.2 C7.1 C8.2 C9.2 C31.1 D3.1 J5.1 L1.2 U1. U2.1 | length 3993.3
  Top Layer w15: L1.2@1055.12,1259.84 v1(1060.65,1259.84)
  Top Layer w20: BZ1.2@278.26,1402.84 469.2,1402.84 C31.1@513.78,1358.27 547.09,1358.27 v4(554.96,1366.14) ; U1.@1100.39,1600 1102.2,1600 1102.36,1600.16 1102.36,1661.42 1208.66,1767.72 C7.1@1228.35,1767.72
  Top Layer w25: D3.1@2413.39,442.52 2478.74,442.52 2479.04,442.22 C3.2@2490.55,442.22 ; C3.2@2492.13,440.94 2492.13,469.72 v1(2492.13,484.25)
  Bottom Layer w20: v4(554.96,1366.14) 566.57,1366.14 570.51,1370.08 602.36,1370.08 751.97,1220.47 891.82,1220.47 985.4,1242.22 999.15,1245.72 1012.33,1258.9 1012.33,1261.81 1044.8,1261.81 v1(1060.65,1259.84)
  Bottom Layer w25: J5.1@1657.48,562.99 2159.36,562.99 2174,548.35 2174,125.64 2188.64,111 2432.36,111 2447,125.64 2447,469.61 2461.64,484.25 v1(2492.13,484.25)
  Bottom Layer w50: v1(1074.8,1224.41) 1342.52,1224.41 1429.13,1137.8 1429.13,1067.2 1461.15,1035.19 1461.15,993.77 1429.13,961.75 1429.13,717.91 1584.05,562.99 J5.1@1657.48,562.99
  other v1: 1059.06,1303.15
  other v3: 554.96,1366.14
12VDC: C4.1 C5.2 D1.1 D2.1 D7.1 J4.1 RL1.5 RL2.4 U1.7 | length 640.1
  Top Layer w30: U1.7@917.32,1500 1010.24,1500 1047.44,1537.2 v2(1047.44,1639.58) ; v2(1176.38,1614.17) D7.1@1429.13,1614.17
  Bottom Layer w15: v2(1047.44,1639.58) 1150.97,1639.58 v2(1176.38,1614.17)
  other v1: 842.52,1484.25 799.21,1488.19 759.84,1492.13 724.41,1494.09 511.81,1767.72 551.18,1767.72 590.55,1767.72 551.18,1925.2 590.55,1925.2 629.92,1925.2